# Altium PCB Control_Board_Model_C204.PcbDoc (part 1 of 6) (continued)
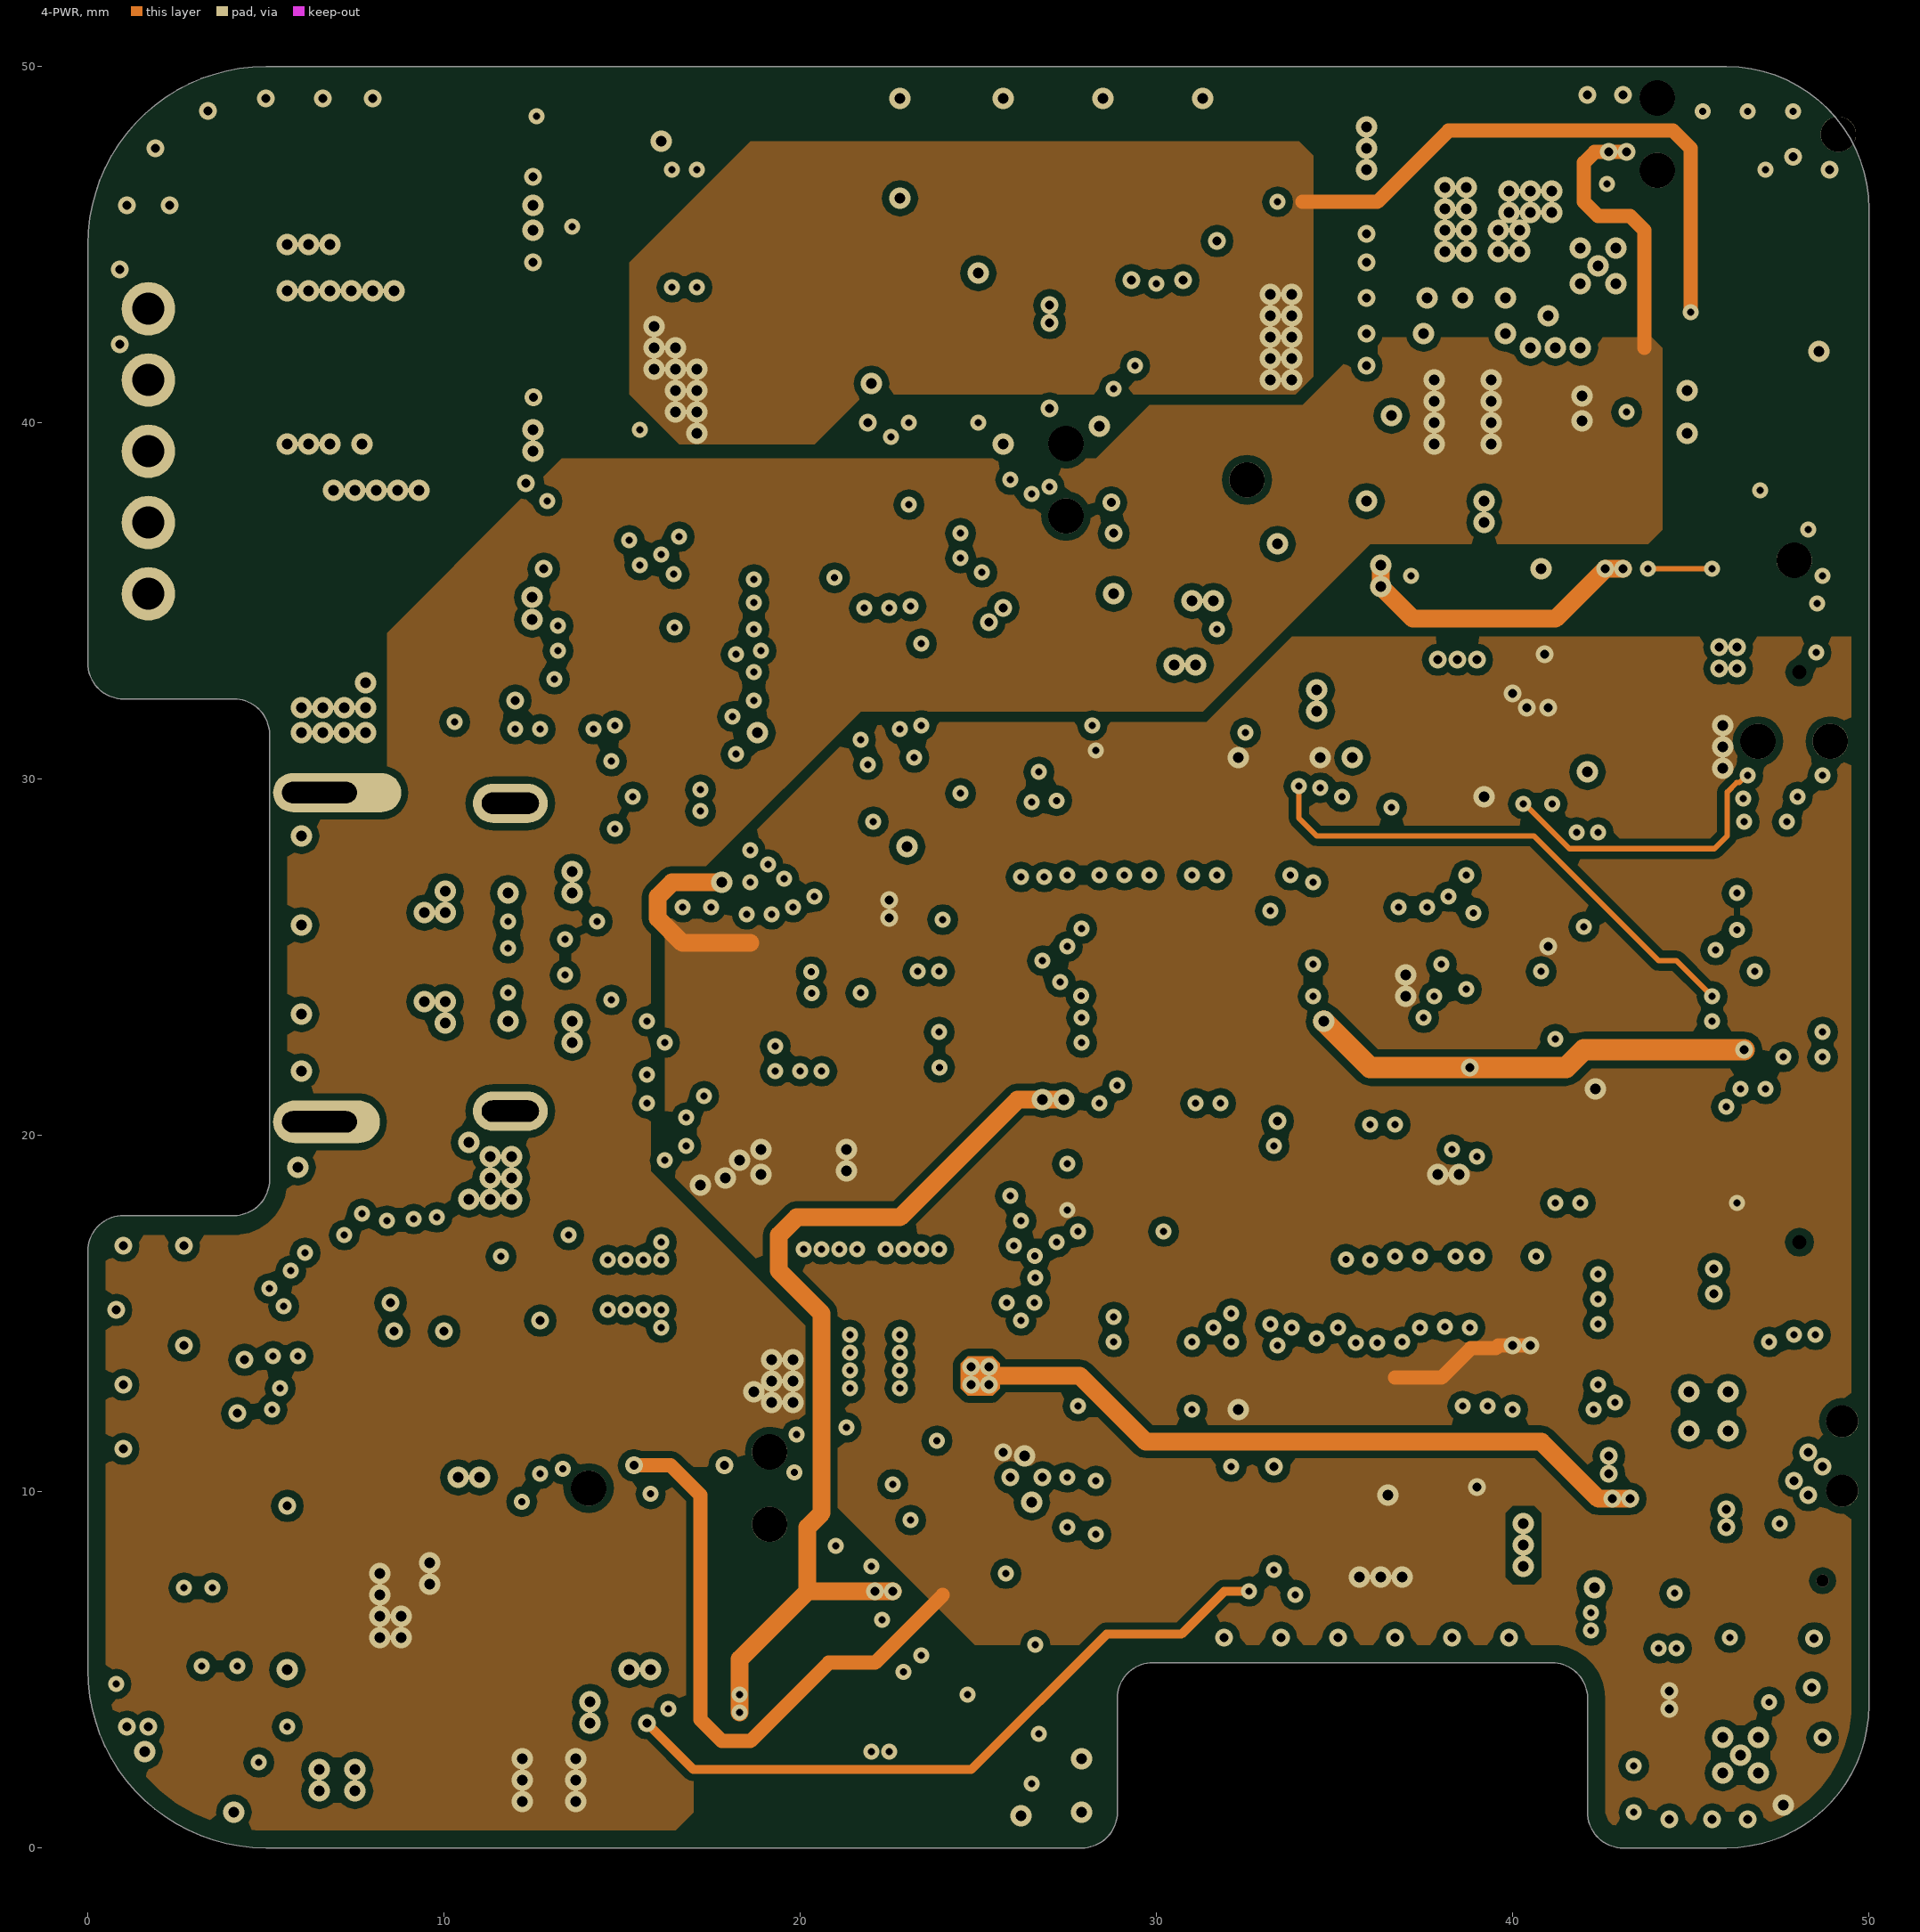
[diagram p4: 4-PWR]
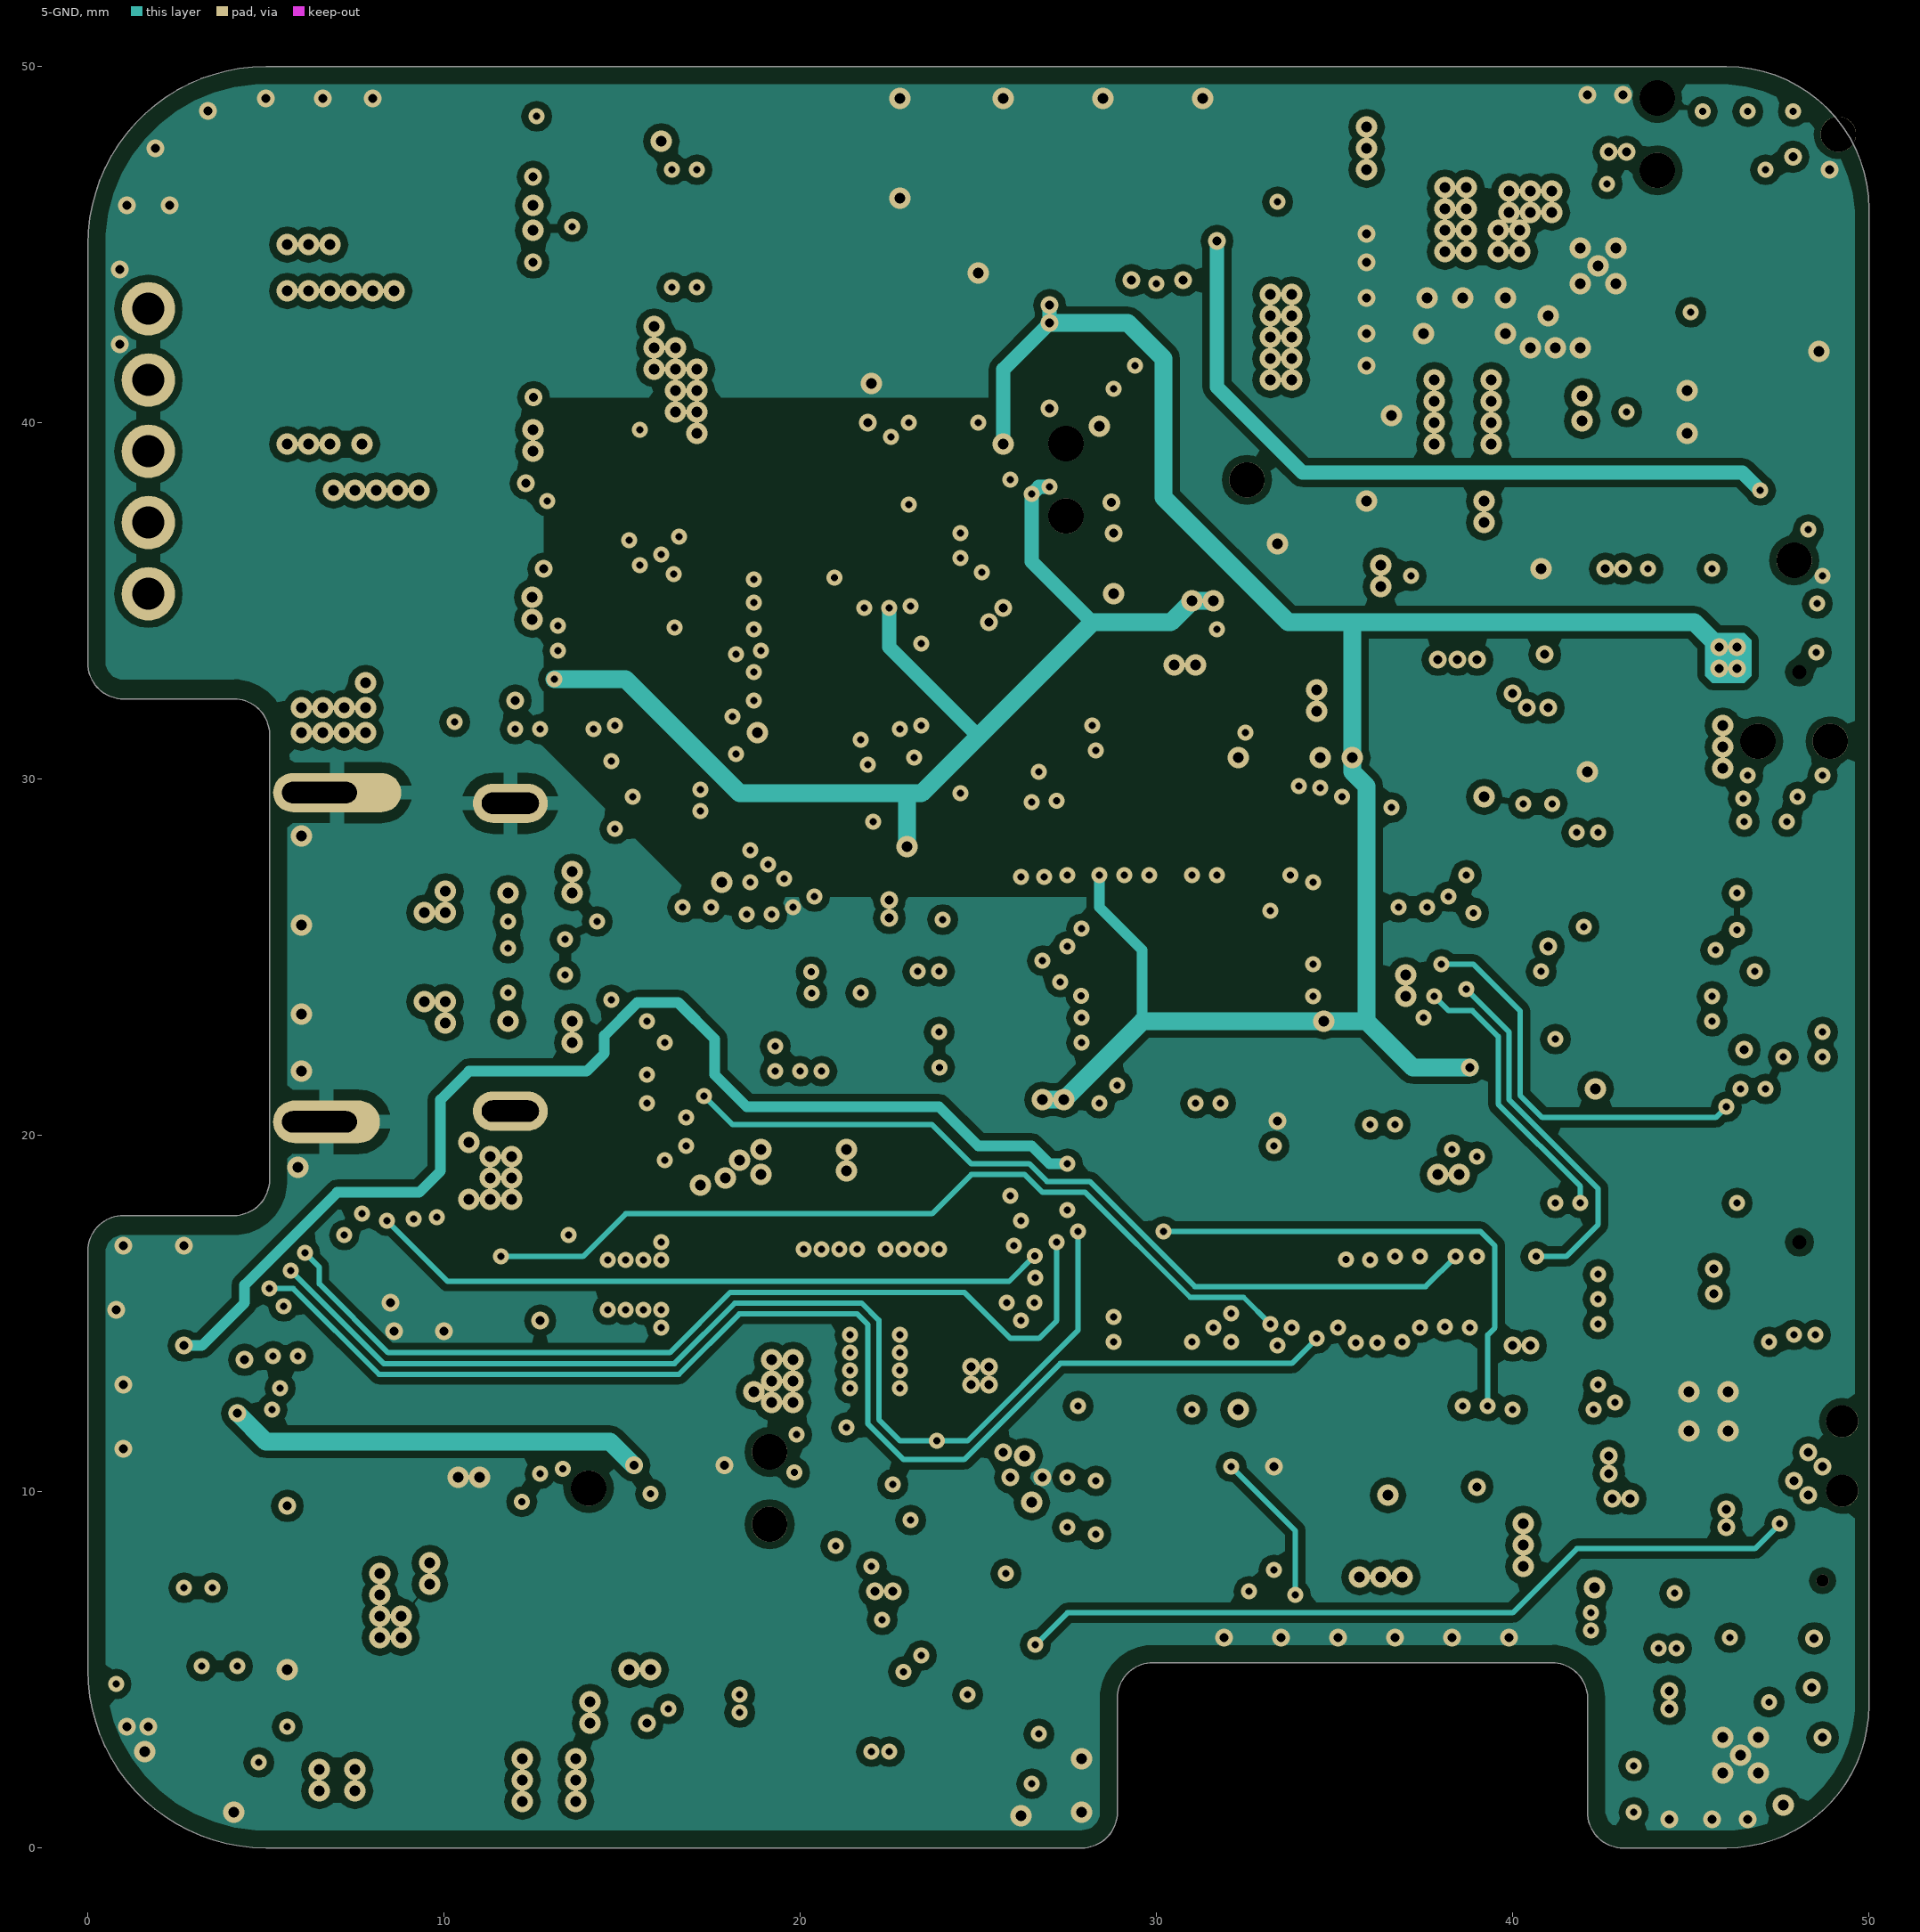
[diagram p5: 5-GND]
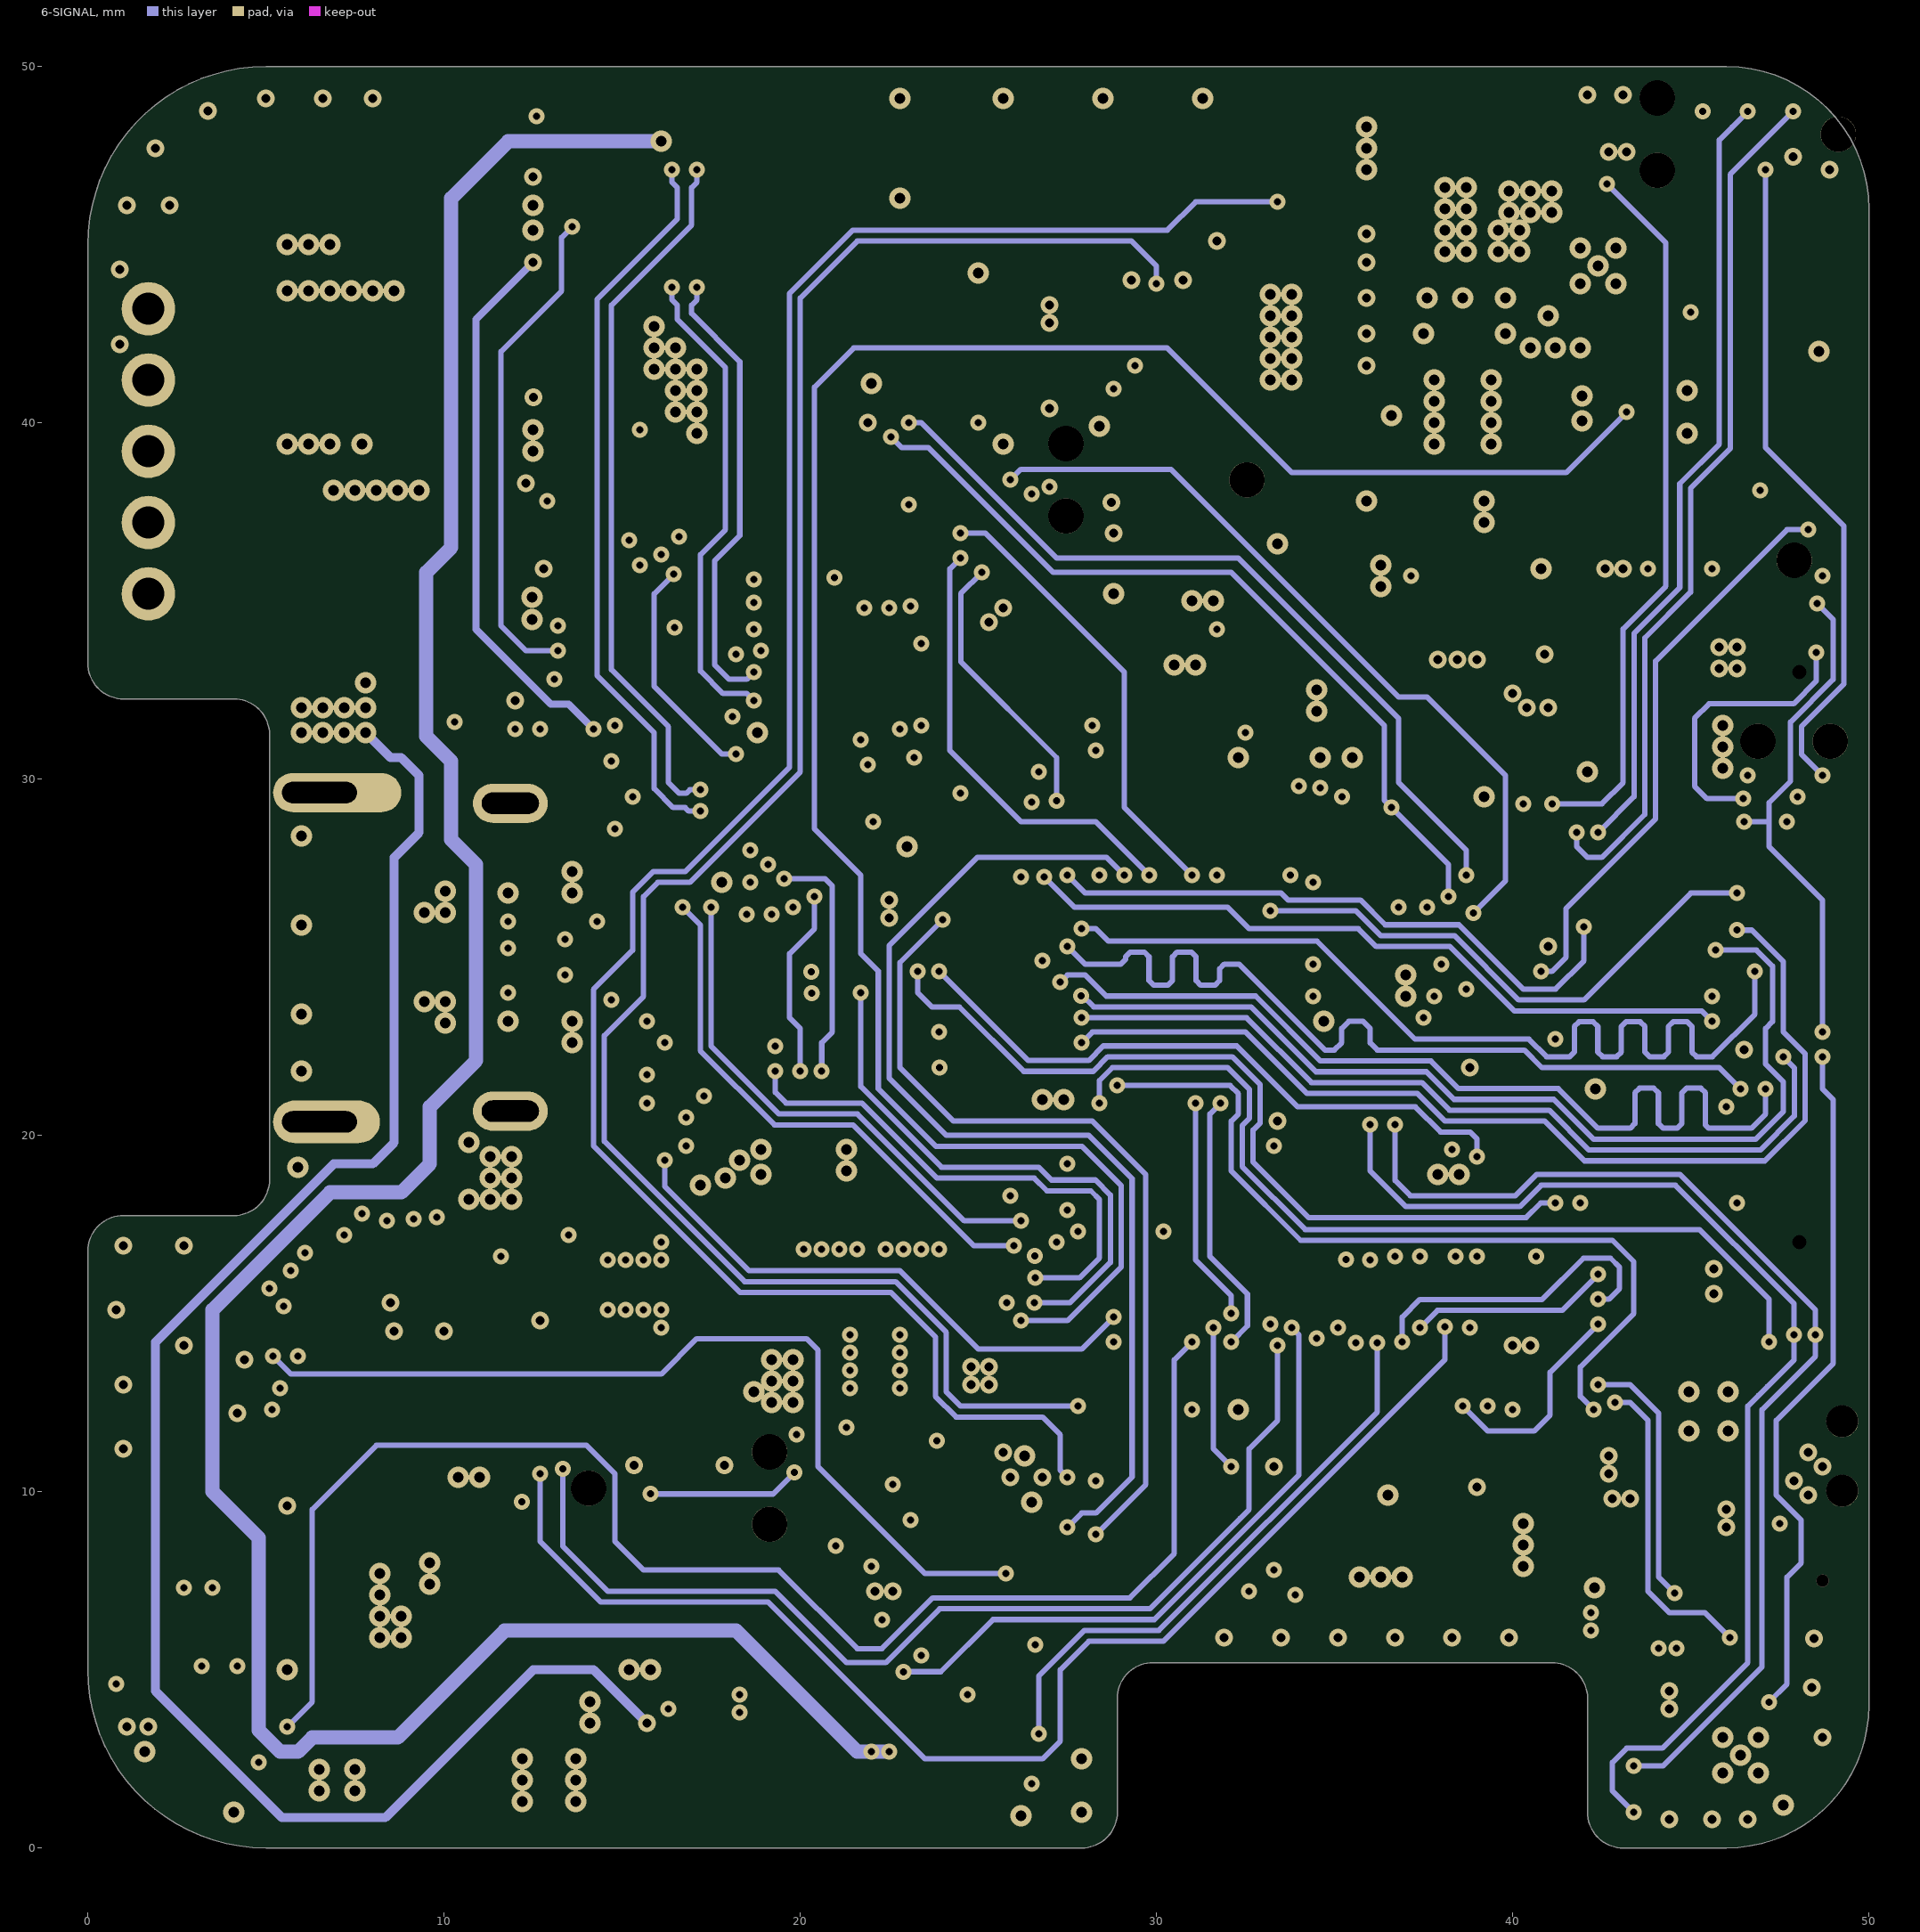
[diagram p6: 6-SIGNAL]